# Altium PCB MOTHERBOARD.PcbDoc (part 1 of 4)
Units mm, origin at the board's own origin, x right, y up, seen from the top; angles counter-clockwise.
Board outline 187 x 77 mm, 4 copper layers (Top Copper, Signal Layer 1, Signal Layer 2, Bottom Copper), stack 1.57 mm thick; 287 components, 258 nets, 1217 pads, 1564 vias.
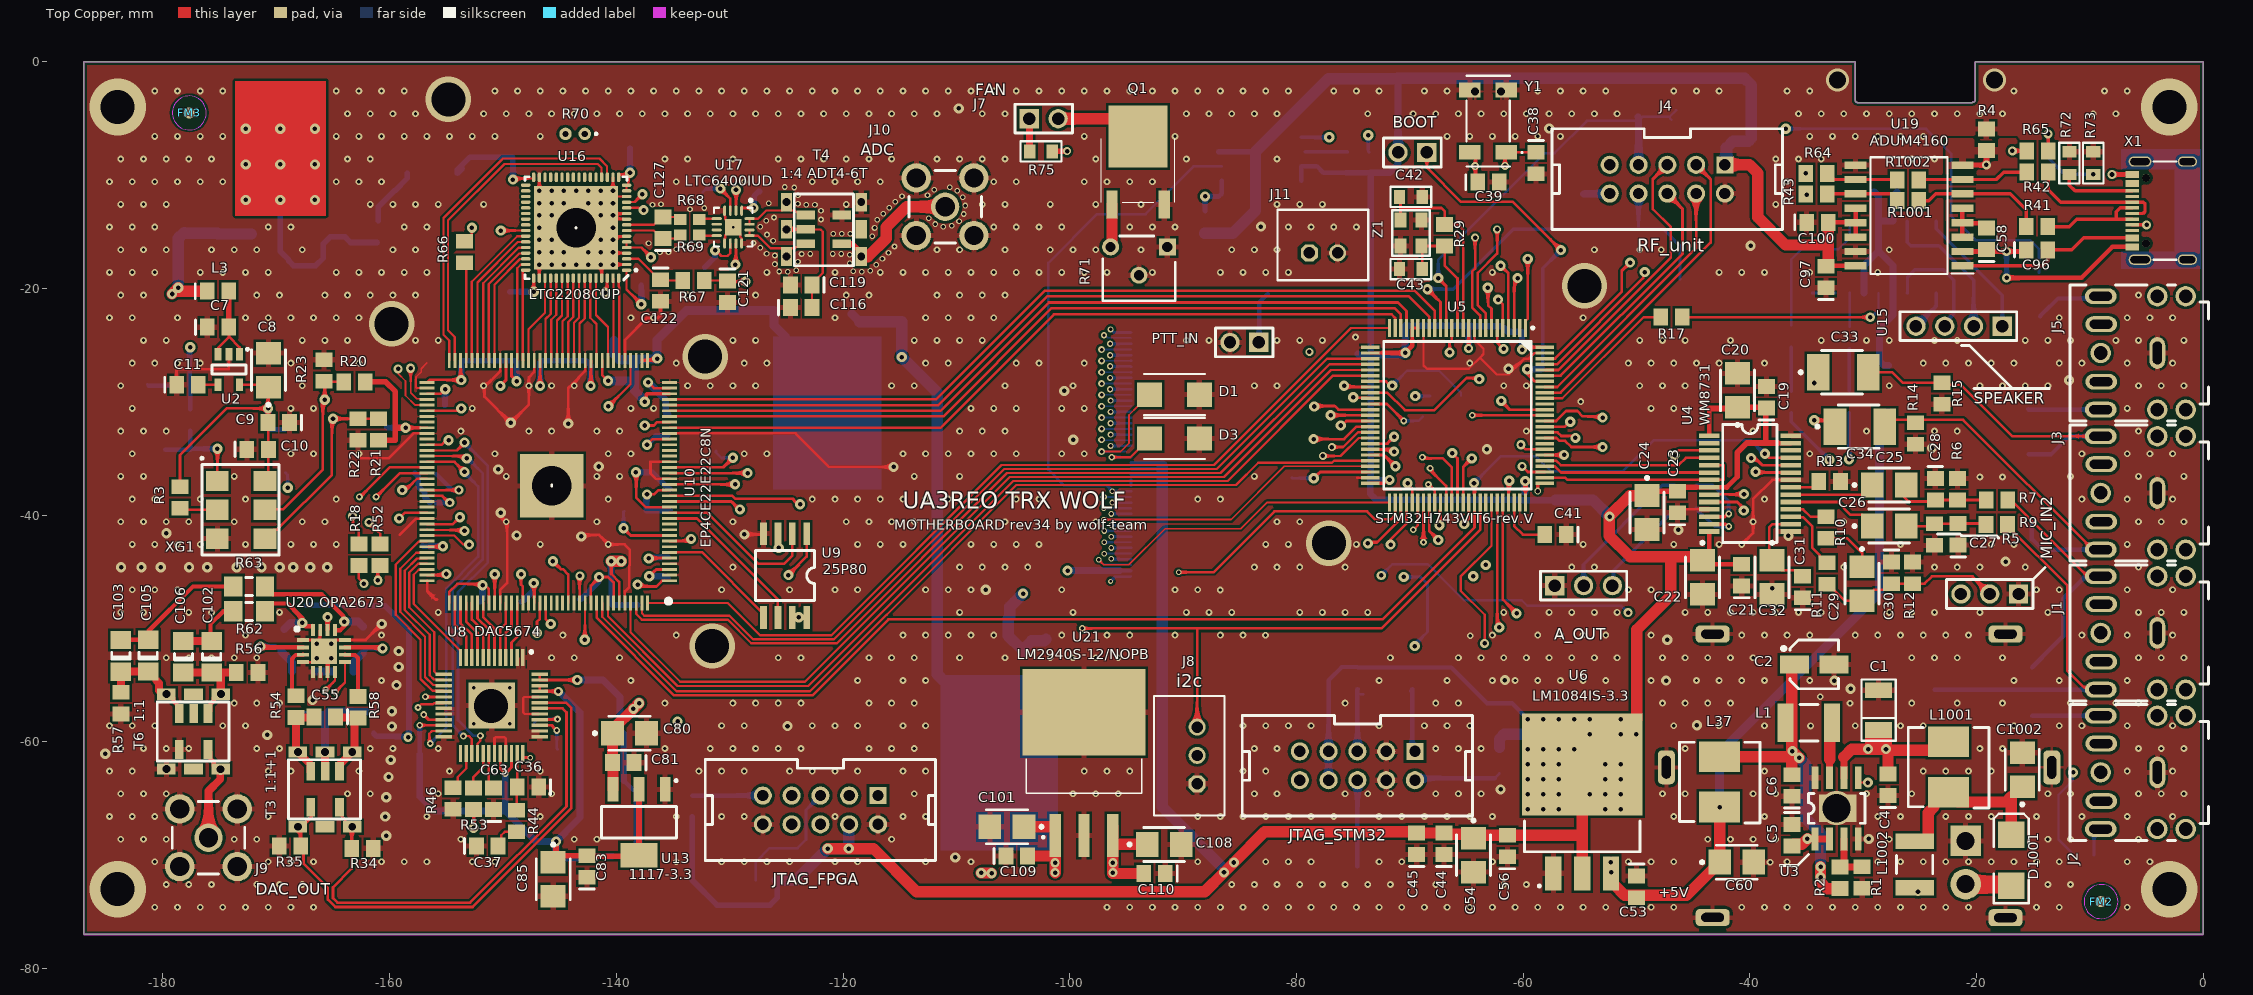
[diagram p0: Top Copper view]
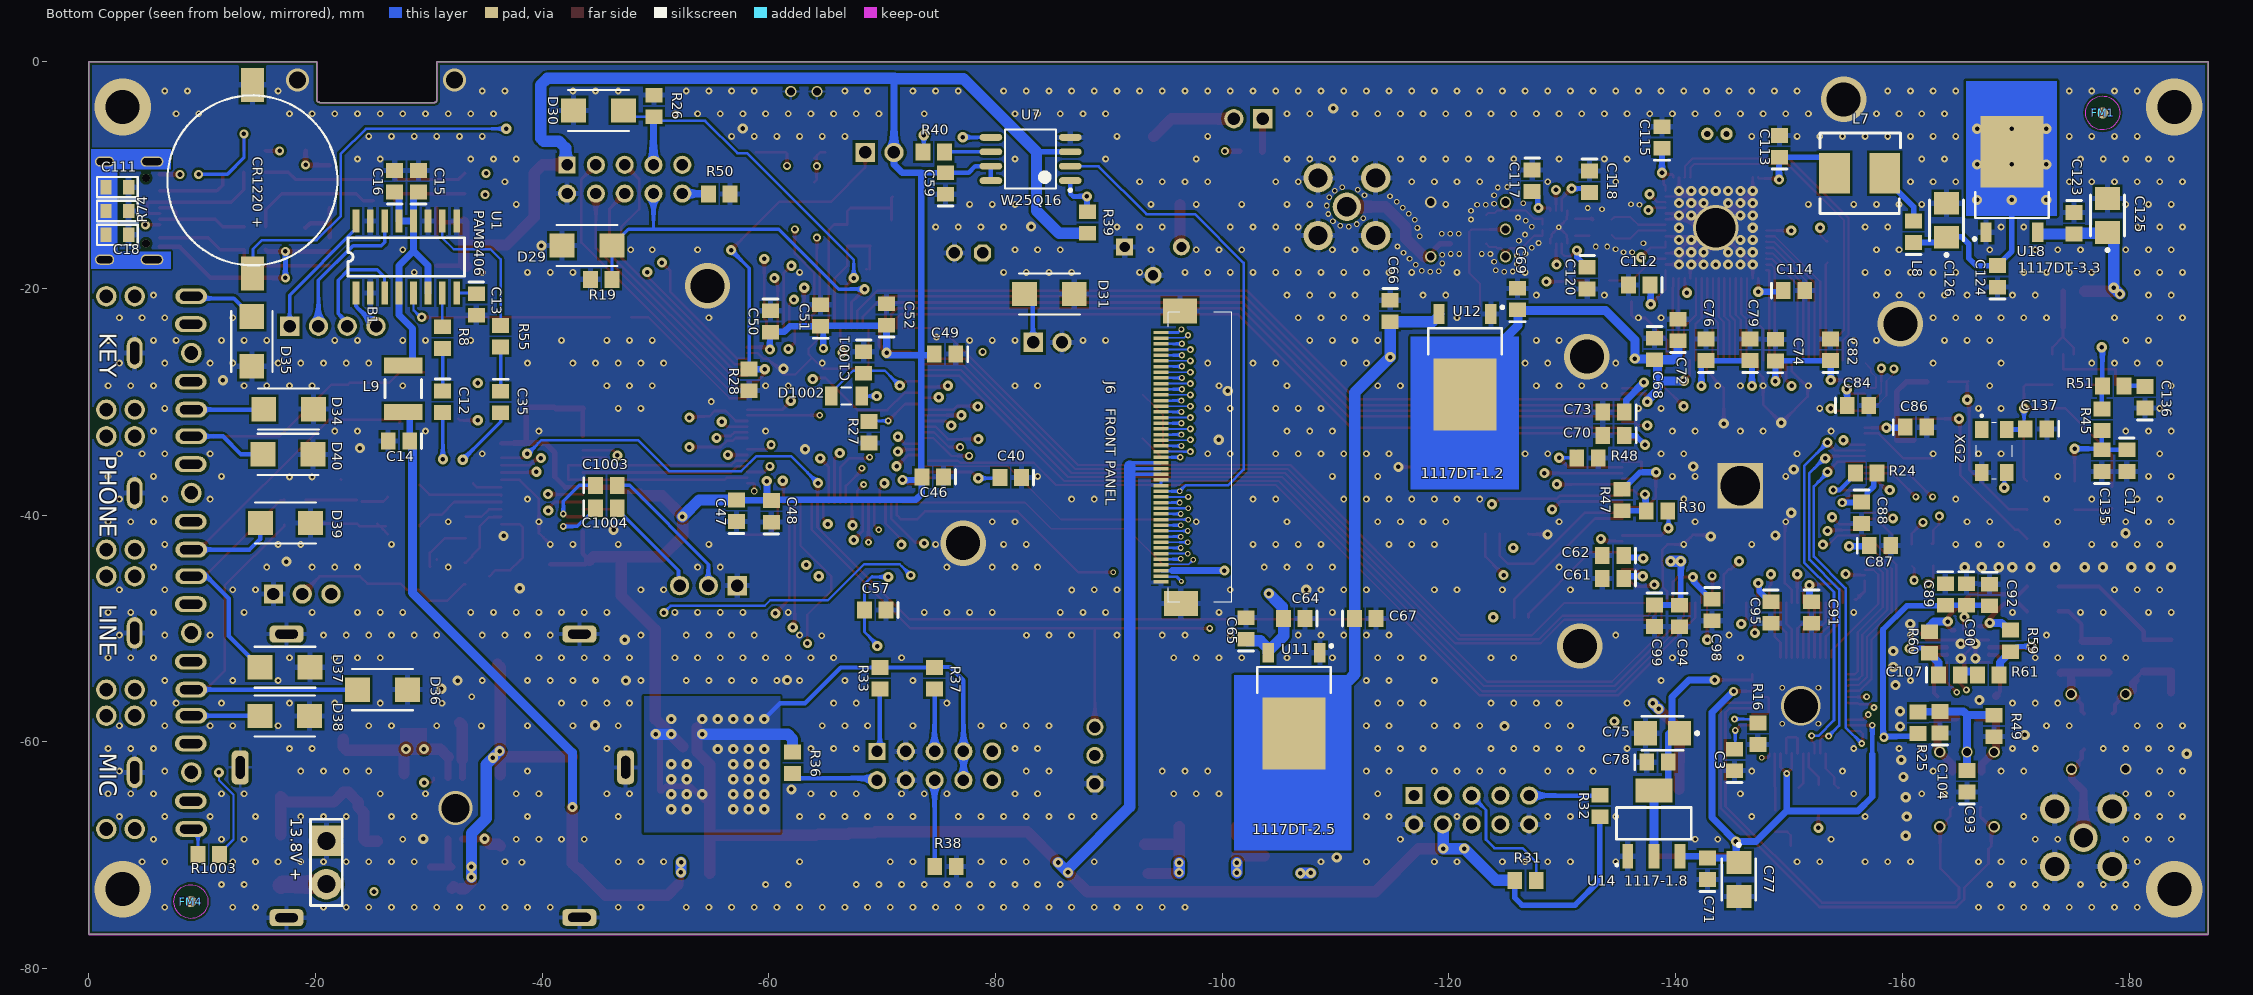
[diagram p1: Bottom Copper view, seen from below]
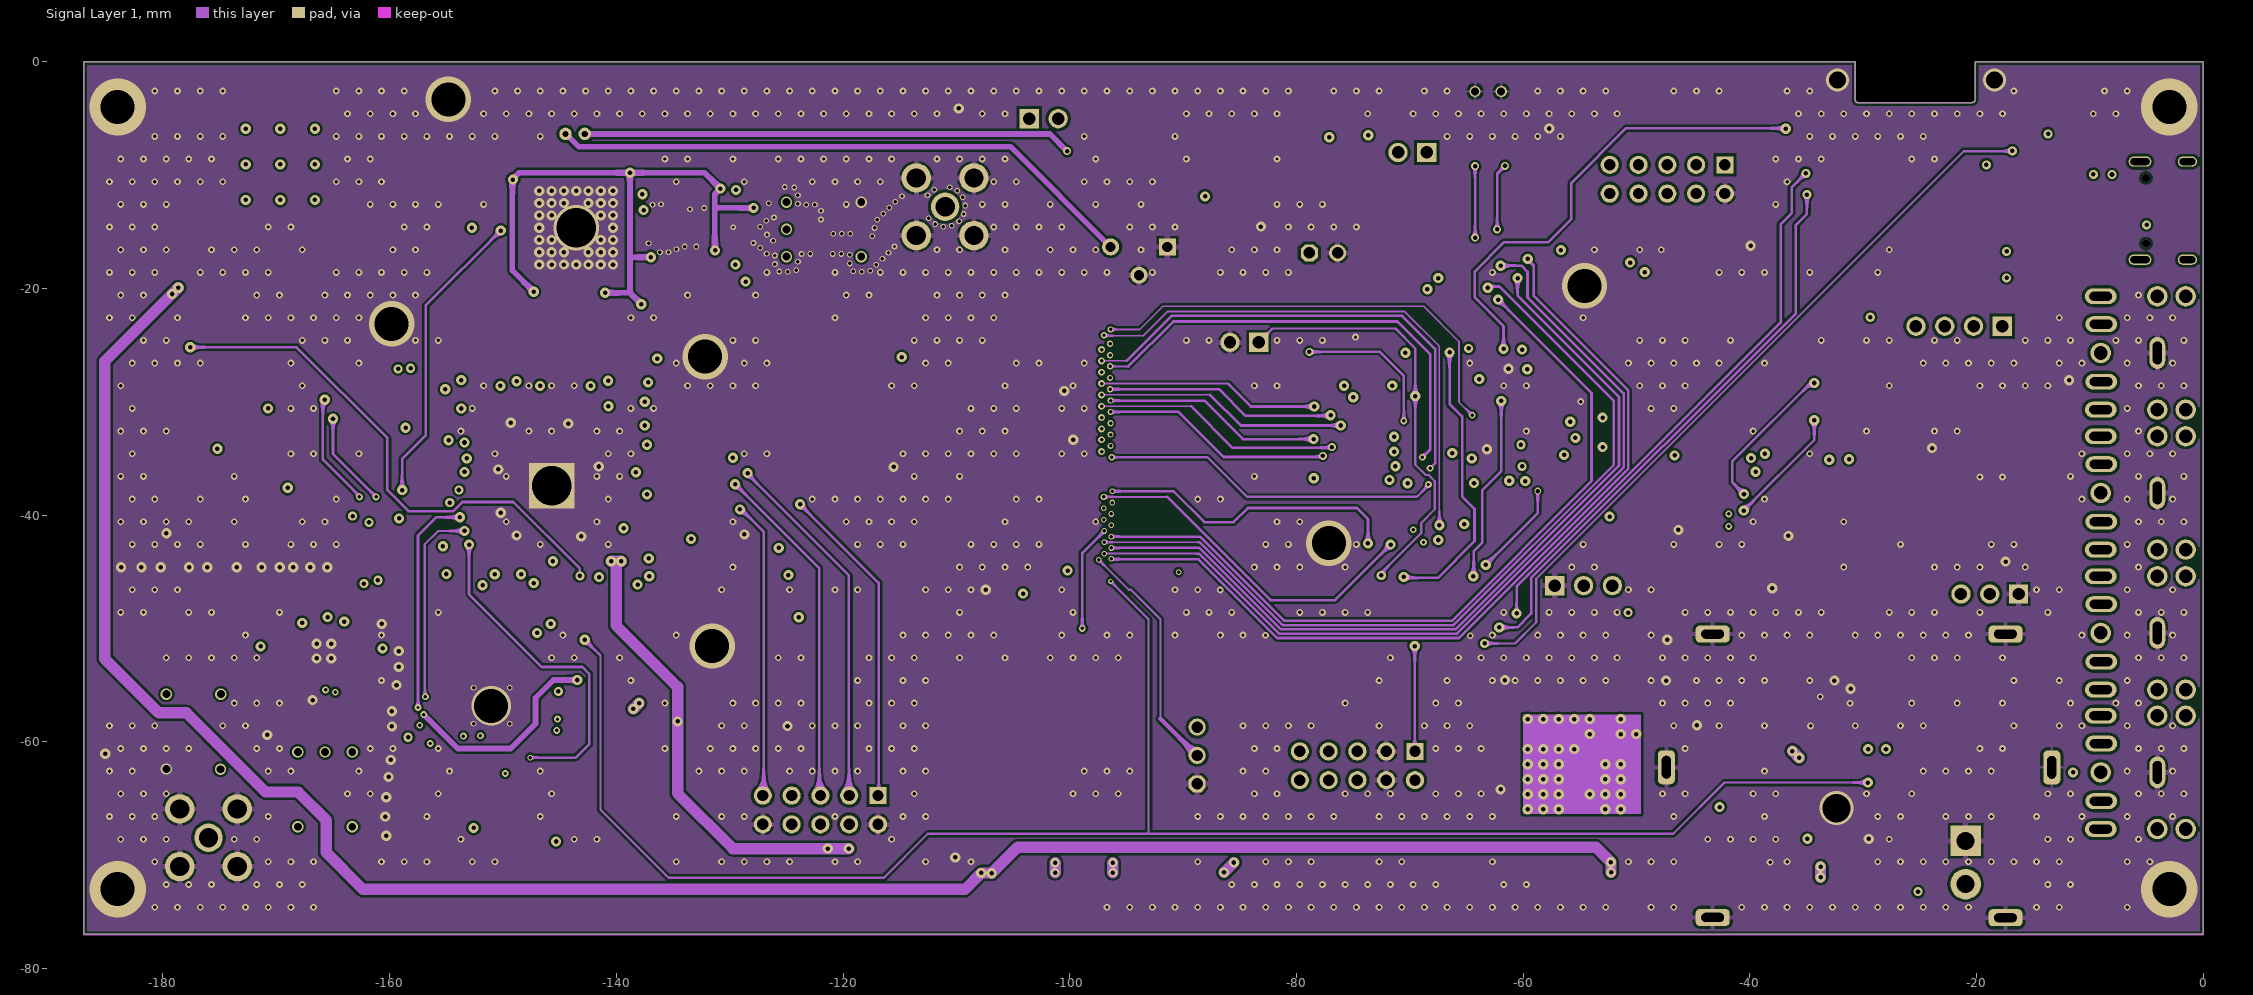
[diagram p2: Signal Layer 1]
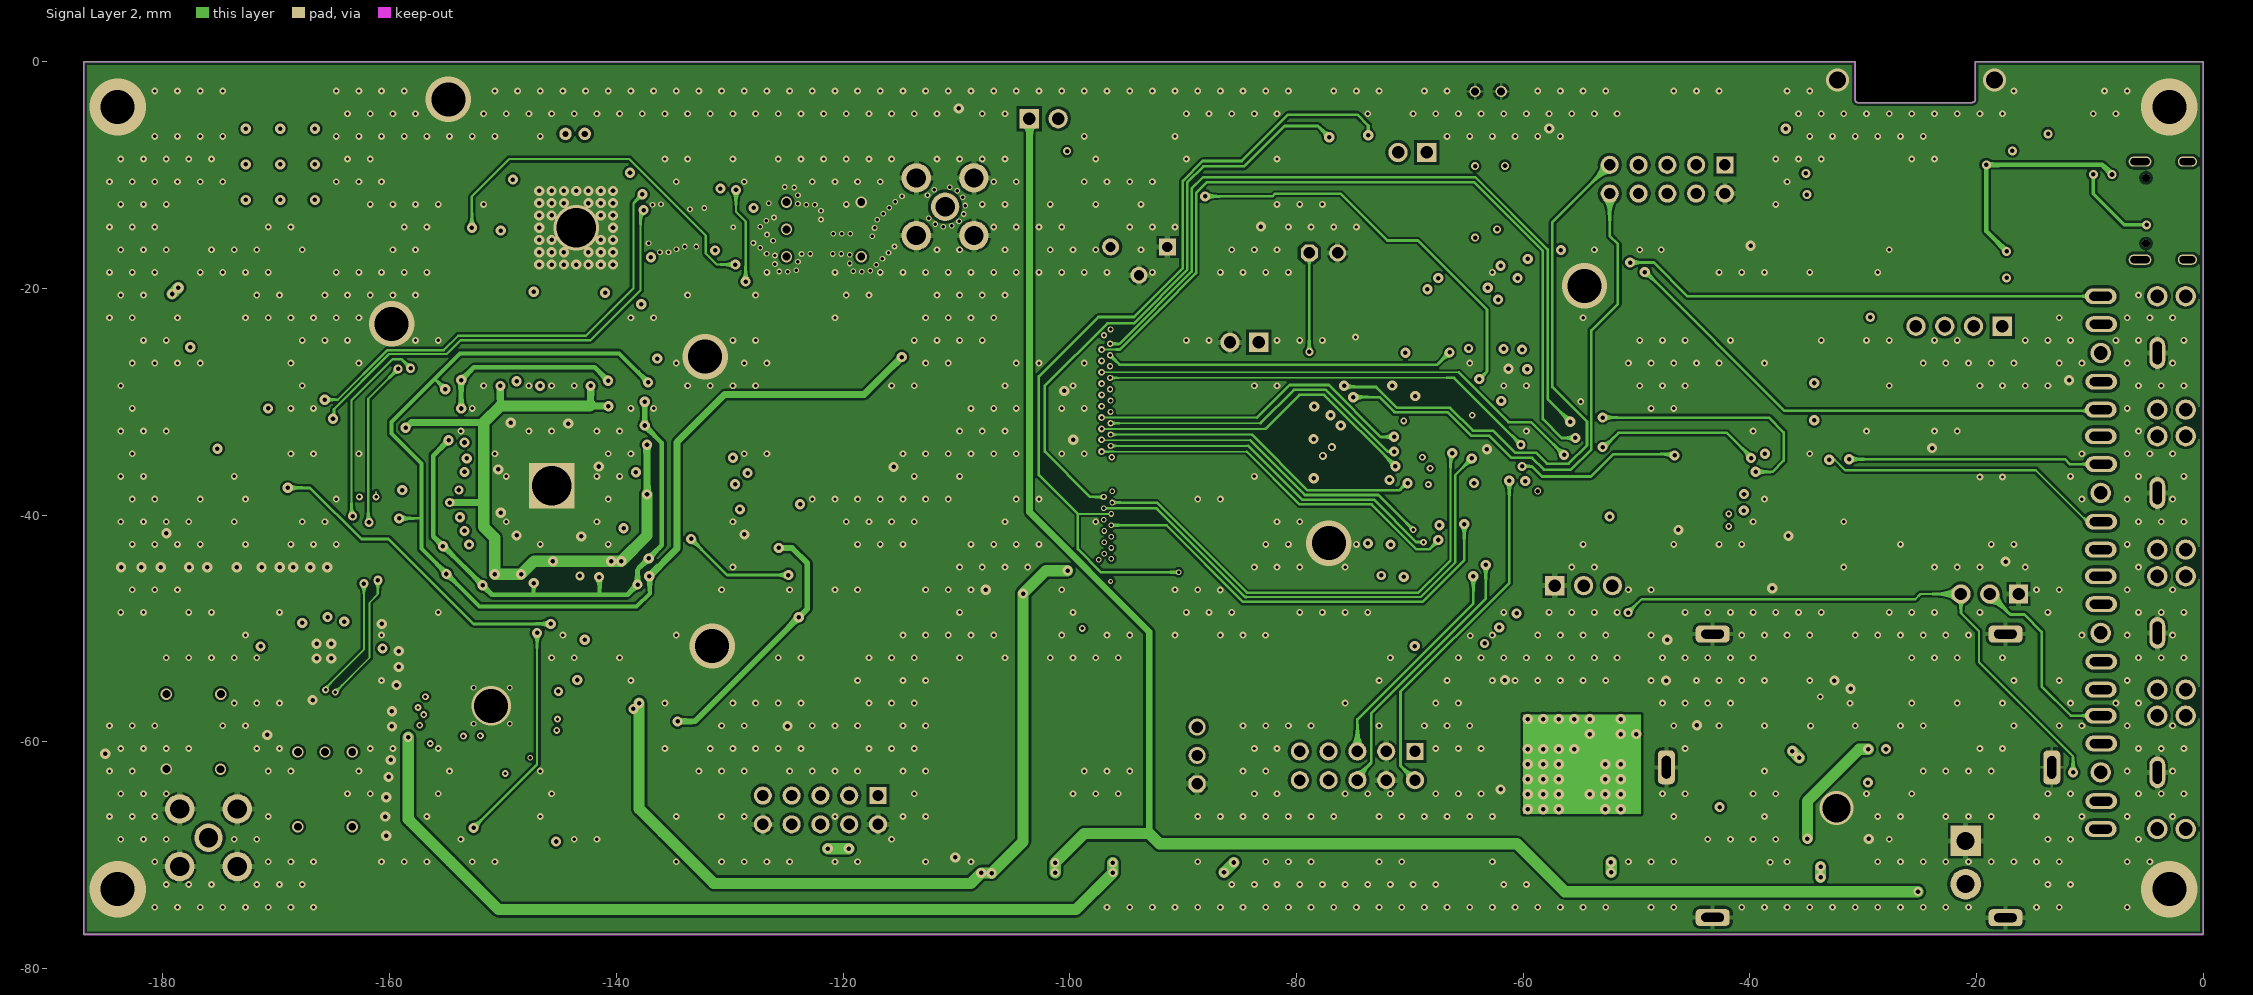
[diagram p3: Signal Layer 2]

## Layer stack, top to bottom
Top Mask: solder mask 0.015, Solder Resist, Dk 3.8
Top Copper: signal copper 0.035
Dielectric 1: prepreg 0.1, 2313, Dk 4.05
Signal Layer 1: signal copper 0.0175
Core: core 1.265, FR-4, Dk 4.5
Signal Layer 2: signal copper 0.0175
Dielectric 2: prepreg 0.1, 2313, Dk 4.05
Bottom Copper: signal copper 0.035
Bottom Mask: solder mask 0.015, Solder Resist, Dk 3.8

## Board outline
-187,-77 -187,0 -30.725,0 -30.725,-3.368 ccw(c-30.475,-3.368) -30.475,-3.618 -20.398,-3.618 -20.38,-3.6 ccw(c-20.38,-3.35) -20.13,-3.35 -20.125,-3.345 -20.125,0 0,0 0,-77

## Design rules (kind name [scope] priority, off if disabled: settings)
BoardOutlineClearance [All] p1: gap=0.3 ignorepadtopadclearanceinfootprint=FALSE
Clearance POWER [InNetClass('POWER')] p1: gap=0.3 ignorepadtopadclearanceinfootprint=FALSE except(0: Arc-Hole Track-Hole SMDPad-Hole THPad-Hole Via-Hole Fill-Hole Poly-Hole Region-Hole Text-Hole)
Clearance Clearance_NPTH [All vs InPadClass('NPTH')] p2: gap=0.4 ignorepadtopadclearanceinfootprint=FALSE except(0: Arc-Hole Track-Hole SMDPad-Hole THPad-Hole Via-Hole Fill-Hole Poly-Hole Region-Hole Text-Hole)
Clearance Clearance_MultiLayerPad [OnLayer('Multi-Layer') and IsPad] p3: gap=0.25 ignorepadtopadclearanceinfootprint=FALSE except(0: Arc-Hole Track-Hole SMDPad-Hole THPad-Hole Via-Hole Fill-Hole Poly-Hole Region-Hole Text-Hole)
Clearance Clearance_Polygon [InPolygon] p4: gap=0.2 ignorepadtopadclearanceinfootprint=FALSE except(0: Arc-Hole Track-Hole SMDPad-Hole THPad-Hole Via-Hole Fill-Hole Poly-Hole Region-Hole Text-Hole)
Clearance [All] p5: gap=0.15 ignorepadtopadclearanceinfootprint=FALSE except(0: Arc-Hole Track-Hole SMDPad-Hole THPad-Hole Via-Hole Fill-Hole Poly-Hole Region-Hole Text-Hole)
ComponentClearance [All] p1: gap=0.1 collisioncheckmode=3 verticalgap=0 showdistances=FALSE donotcheckwithout3dbody=TRUE
Height [All] p1: minheight=0 maxheight=60 prefheight=12.7
HoleSize [All] p1: absolutevalues=TRUE maxlimit=5 minlimit=0.025 maxpercent=80.000 minpercent=20.000
HoleToHoleClearance [All] p1: gap=0.2 allowstackedmicrovias=TRUE
MinimumSolderMaskSliver [All] p1: minsoldermaskwidth=0.05
PlaneClearance [All] p1: clearance=0.5
PlaneConnect [All] p1: planeconnectstyle=Relief reliefexpansion=0.5 reliefentries=4 reliefconductorwidth=0.3 reliefairgap=0.2
PolygonConnect PolygonConnect_PowerPAD [All vs InPadClass('PowerPAD')] p1: connectstyle=Relief reliefconductorwidth=1 reliefentries=4 polygonreliefangle="90 Angle" airgapwidth=0.3
PolygonConnect PolygonConnect_PadGND [InNet('GND') and IsPad] p2: connectstyle=Relief reliefconductorwidth=0.5 reliefentries=4 polygonreliefangle="90 Angle" airgapwidth=0.2
PolygonConnect PolygonConnect_Via [IsVia] p3: connectstyle=Direct reliefconductorwidth=0.254 reliefentries=4 polygonreliefangle="90 Angle" airgapwidth=0.254
PolygonConnect [All] p4: connectstyle=Relief reliefconductorwidth=0.6 reliefentries=4 polygonreliefangle="90 Angle" airgapwidth=0.3
RoutingVias [All] p1: holewidth=0.3 width=0.7 viastyle="Through Hole" minholewidth=0.3 minwidth=0.55 maxholewidth=3.2 maxwidth=5
SilkToSilkClearance [All] p1: silktosilkclearance=0
SilkToSolderMaskClearance [IsPad] p1: minsilkscreentomaskgap=0.05 clearancetoexposedcopper=FALSE
SolderMaskExpansion [All] p1: expansion=0.075 istentingtop=FALSE
Width [All] p1: maxlimit=10 minlimit=0.15 preferedwidth=0.2
21 further rules are at their usual default settings.

## Classes and differential pairs
component class STM32: B1 BOOT C38 C39 C40 C41 C42 C43 C51 C52 C57 C59 C1001 D1002 FM1 FM2 FM3 FM4 J8 J11 JTAG_STM32 R27 R28 R29 R33 R36 R37 R38 R39 R40 U5 U7 Y1 Z1
component class POWER: "13.8V +" C1 C2 C4 C5 C6 C44 C45 C46 C47 C48 C49 C50 C53 C54 C56 C60 C64 C65 C66 C67 C68 C69 C101 C108 C109 C110 C1002 D1001 L1 L37 L1001 L1002 R1 R2 U3 U6 U11 U12 U21
component class FPGA: C61 C62 C70 C72 C73 C74 C76 C79 C82 C84 C86 C87 C88 C91 C94 C95 C98 C99 JTAG_FPGA R24 R30 R31 R32 R47 R48 U9 U10
component class CONNECTIONS: C18 C58 C96 C97 C100 C111 D1 D3 D29 D30 D31 D34 D35 J4 J5 J6 PTT_IN R4 R19 R26 R41 R42 R43 R50 R64 R65 R72 R73 R74 R1001 R1002 U19 X1
component class CLOCK_GENERATOR: C7 C8 C9 C10 C11 C17 C135 C136 C137 L3 R3 R20 R21 R22 R23 R45 R51 U2 XG1 XG2
component class "AUDIO CODEC": A_OUT C12 C13 C14 C15 C16 C19 C20 C21 C22 C23 C24 C25 C26 C27 C28 C29 C30 C31 C32 C33 C34 C35 C1003 C1004 D36 D37 D38 D39 D40 J1 J2 J3 L9 MIC_IN2 MI§і_IN2 R5 R6 R7 R8 R9 R10 R11 R12 R13 R14 R15 R17 R55 R1003 U1 U4 U15
component class ADC: C112 C113 C114 C115 C116 C117 C118 C119 C120 C121 C122 C123 C124 C125 C126 C127 J7 J10 L7 L8 Q1 R66 R67 R68 R69 R70 R71 R75 T4 U16 U17 U18
component class DAC: C3 C36 C37 C55 C63 C71 C75 C77 C78 C80 C81 C83 C85 C89 C90 C92 C93 C102 C103 C104 C105 C106 C107 J9 R16 R18 R25 R34 R35 R44 R46 R49 R52 R53 R54 R56 R57 R58 R59 R60 R61 R62 R63 T3 T6 U8 U13 U14 U20

## Components (designator, comment, footprint, x,y, rotation, side; value= is the part's Value field where it differs from the comment)
"13.8V +" "JX2" JX2 -20.975,-70.65 r270 bottom
A_OUT "51022-0300_1" "51022-0200 - duplicate" -55.945,-45.59 r0 top
B1 "CR1220 +" CR1220 -14.45,-18.675 r0 bottom value=CR1220
BOOT "" 51022-0200 -69.775,-8.65 r180 top
C1 "4.7uF 16V" TANTAL_B -28.65,-57.2 r90 top
C2 "22uF 10V" CAPAE_4.3x4.3h5.4#1 -34.325,-53.175 r0 top
C3 "100n" CAP_0805 -145.2,-61.8 r90 bottom
C4 "100n" CAP_0805 -27.825,-64 r90 top
C5 "100n" CAP_0805 -36.3,-68.05 r270 top
C6 "100n" CAP_0805 -36.3,-64.05 r90 top
C7 "1uF" CAP_0805 -175.342,-23.428 r0 top
C8 "10uF 10V" CAPAE_4.3x4.3h5.4#2 -170.7,-27.618 r90 top
C9 "100n" CAP_0805 -169.579,-31.841 r180 top
C10 "470p" CAP_0805 -171.85,-34.2 r0 top
C11 "1uF" CAP_0805 -178.042,-28.505 r0 top
C12 "1uF" CAP_0805 -31.225,-29.8 r270 bottom
C13 "1uF" CAP_0805 -34.2,-21.225 r270 bottom
C14 "1uF" CAP_0805 -27.575,-33.475 r0 bottom
C15 "1uF" CAP_0805 -29.1,-10.75 r90 bottom
C16 "100n" CAP_0805 -27,-10.75 r90 bottom
C17 "10uF 10V" CAP_0805 -179.8,-35 r270 bottom
C18 "0.1" CH0805C -2.533,-15.279 r0 bottom
C19 "100n" CAP_0805 -38.55,-29.8 r90 top
C20 "10uF 10V" CAPAE_4.3x4.3h5.4#2 -41.1,-29.4 r90 top
C21 "100n" CAP_0805 -40.725,-45.5 r90 top
C22 "10uF 10V" CAPAE_4.3x4.3h5.4#2 -44.2,-45.1 r270 top
C23 "100n" CAP_0805 -46.4,-39.05 r90 top
C24 "10uF 10V" CAPAE_4.3x4.3h5.4#2 -49.078,-39.37 r270 top
C25 "1uF 10V" CAPAE_4.3x4.3h5.4#2 -28.125,-37.35 r0 top
C26 "1uF 10V" CAPAE_4.3x4.3h5.4#2 -28.125,-40.975 r0 top
C27 "220p" CAP_0805 -21.625,-41.9 r90 top
C28 "220p" CAP_0805 -23.65,-37.525 r270 top
C29 "1uF 10V" CAPAE_4.3x4.3h5.4#2 -30.118,-45.648 r270 top
C30 "220p" CAP_0805 -27.525,-44.9 r270 top
C31 "100n" CAP_0805 -35.35,-46.55 r90 top
C32 "10uF 10V" CAPAE_4.3x4.3h5.4#2 -38.05,-45.1 r270 top
C33 "220uF 10V" EEEFC_sizeС -32.875,-27.4 r0 top
C34 "220uF 10V" EEEFC_sizeС -31.4,-32.2 r0 top
C35 "1uF" CAP_0805 -36.35,-29.825 r270 bottom
C36 "100pF" CAP_0805 -147.6,-64 r180 top
C37 "10n" CAP_0805 -151.6,-69.2 r0 top
C38 "6pF" CAP_0805 -58.875,-8.75 r270 top
C39 "6pF" CAP_0805 -63.275,-10.625 r0 top
C40 "10uF" CAP_0805 -81.551,-36.7 r0 bottom
C41 "10uF" CAP_0805 -56.961,-41.727 r180 top
C42 "22p" CH0805C -69.917,-11.932 r180 top
C43 "22p" CH0805C -69.917,-18.302 r0 top
C44 "100n" CAP_0805 -67,-69.2 r90 top
C45 "100n" CAP_0805 -69.4,-69.2 r90 top
C46 "100n" CAP_0805 -74.675,-36.625 r0 bottom
C47 "100n" CAP_0805 -57.15,-39.825 r90 bottom
C48 "100n" CAP_0805 -60.225,-39.875 r90 bottom
C49 "100n" CAP_0805 -75.75,-25.8 r0 bottom
C50 "10uF" CAP_0805 -60.15,-22.725 r270 bottom value=1uF
C51 "100n" CAP_0805 -64.575,-22.6 r90 bottom
C52 "10uF" CAP_0805 -70.4,-22.5 r90 bottom
C53 "100n" CAP_0805 -50,-72.6 r270 top
C54 "10uF 10V" CAPAE_4.3x4.3h5.4#2 -64.4,-69.6 r270 top
C55 "7.5p" CAP_0805 -165.525,-57.8 r180 top
C56 "100n" CAP_0805 -61.4,-69.4 r90 top
C57 "100n" CAP_0805 -69.6,-48.375 r0 bottom
C58 "100n" CAP_0805 -19.125,-15.825 r90 top
C59 "100n" CAP_0805 -75.605,-10.945 r90 bottom
C60 "10uF 10V" CAPAE_4.3x4.3h5.4#2 -41.575,-70.625 r0 top
C61 "100n" CAP_0805 -134.675,-45.6 r0 bottom
C62 "100n" CAP_0805 -134.675,-43.575 r0 bottom
C63 "10n" CAP_0805 -150.85,-65.225 r90 top
C64 "10uF" CAP_0805 -106.55,-49.125 r0 bottom
C65 "100n" CAP_0805 -102.1,-50.2 r90 bottom
C66 "10uF" CAP_0805 -114.825,-21.8 r270 bottom
C67 "100n" CAP_0805 -112.425,-49.125 r180 bottom
C68 "10uF" CAP_0805 -138.15,-25.15 r270 bottom
C69 "100n" CAP_0805 -126.05,-21.15 r90 bottom
C70 "100n" CAP_0805 -134.725,-32.975 r0 bottom
C71 "100n" CAP_0805 -142.8,-71.4 r90 bottom
C72 "100n" CAP_0805 -140.2,-23.875 r90 bottom
C73 "100n" CAP_0805 -134.725,-30.925 r0 bottom
C74 "100n" CAP_0805 -148.8,-25.65 r90 bottom
C75 "10uF 10V" CAPAE_4.3x4.3h5.4#2 -139.25,-59.25 r0 bottom
C76 "100n" CAP_0805 -142.675,-25.625 r90 bottom
C77 "10uF 10V" CAPAE_4.3x4.3h5.4#2 -145.575,-71.75 r270 bottom
C78 "100n" CAP_0805 -138.2,-61.8 r180 bottom
C79 "100n" CAP_0805 -146.575,-25.625 r90 bottom
C80 "10uF 10V" CAPAE_4.3x4.3h5.4#2 -139.25,-59.25 r0 top
C81 "100n" CAP_0805 -139.202,-61.851 r180 top
C82 "100n" CAP_0805 -153.65,-25.625 r90 bottom
C83 "100n" CAP_0805 -142.6,-71.2 r90 top
C84 "100n" CAP_0805 -155.9,-30.325 r180 bottom
C85 "10uF 10V" CAPAE_4.3x4.3h5.4#2 -145.575,-71.725 r270 top
C86 "100n" CAP_0805 -161,-32.25 r180 bottom
C87 "100n" CAP_0805 -157.825,-42.7 r180 bottom
C88 "100n" CAP_0805 -156.4,-39.6 r270 bottom
C89 "100n" CAP_0805 -163.791,-46.801 r270 bottom
C90 "470p" CAP_0805 -165.65,-46.8 r270 bottom
C91 "100n" CAP_0805 -152,-48.4 r270 bottom
C92 "1uF" CAP_0805 -167.7,-46.85 r270 bottom
C93 "100n" CAP_0805 -165.7,-63.675 r90 bottom
C94 "100n" CAP_0805 -140.35,-48.7 r270 bottom
C95 "100n" CAP_0805 -148.4,-48.4 r270 bottom
C96 "100n" CAP_0805 -14.875,-16.6 r0 top
C97 "100n" CAP_0805 -33.3,-19.2 r90 top
C98 "100n" CAP_0805 -143.225,-48.175 r270 bottom
C99 "100n" CAP_0805 -138.125,-48.675 r270 bottom
C100 "100n" CAP_0805 -34.25,-14.175 r0 top
C101 "10uF 20V" CAPAE_4.3x4.3h5.4#2 -105.15,-67.5 r180 top
C102 "1uF" CAP_1206 -175.7,-52.5 r90 top
C103 "1uF" CAP_1206 -183.725,-52.425 r90 top
C104 "470p" CAP_0805 -163.325,-58.475 r90 bottom
C105 "680p" CAP_1206 -181.3,-52.4 r90 top
C106 "680p" CAP_1206 -178.2,-52.5 r90 top
C107 "100n" CAP_0805 -163.95,-54.1 r180 bottom
C108 "10uF 20V" CAPAE_4.3x4.3h5.4#2 -92.075,-69.05 r0 top
C109 "100n" CAP_0805 -104.875,-70.075 r0 top
C110 "100n" CAP_0805 -92.325,-71.625 r180 top
C111 "0.01" CH0805C -2.533,-11.075 r0 bottom
C112 "100n" CAP_0805 -137,-19.7 r0 bottom
C113 "100n" CAP_0805 -149.175,-7.675 r90 bottom
C114 "100n" CAP_0805 -150.25,-20.2 r180 bottom
C115 "100n" CAP_0805 -138.8,-6.9 r90 bottom
C116 "470p" CAP_0805 -123.9,-21.7 r0 top
C117 "100n" CAP_0805 -127.352,-10.302 r270 bottom
C118 "100n" CAP_0805 -132.4,-10.4 r270 bottom
C119 "1uF" CAP_0805 -123.5,-19.7 r180 top
C120 "100n" CAP_0805 -132.2,-18.9 r270 bottom
C121 "1uF" CAP_0805 -130.2,-20.1 r270 top
C122 "1uF" CAP_0805 -136.1,-20 r270 top
C123 "100n" CAP_0805 -175.154,-14.05 r270 bottom
C124 "100n" CAP_0805 -168.396,-19.146 r90 bottom
C125 "22uF 10V" CAPAE_4.3x4.3h5.4#2 -178.1,-13.975 r90 bottom
C126 "22uF 10V" CAPAE_4.3x4.3h5.4#2 -163.9,-14.4 r90 bottom
C127 "10p" CAP_0805 -135.9,-14.85 r90 top
C135 "100n" CAP_0805 -177.6,-35.4 r90 bottom
C136 "8.2n" CAP_0805 -181.4,-29.8 r90 bottom
C137 "10n" CAP_0805 -172,-32.4 r0 bottom
C1001 "1n" CAP_0805 -68.375,-26.35 r270 bottom
C1002 "10uF 10V" CAPAE_4.3x4.3h5.4#2 -15.975,-62.875 r90 top value="4.7uF 20V"
C1003 "1uF" CAP_0805 -45.475,-37.375 r180 bottom
C1004 "1uF" CAP_0805 -45.475,-39.4 r180 bottom
D1 "SMAJ5.0A-TR" SMBJ36CATR -90.775,-29.375 r0 top
D3 "SMAJ5.0A-TR" SMBJ36CATR -90.775,-33.25 r0 top
D29 "SMAJ5.0A-TR" SMBJ36CATR -43.975,-16.225 r0 bottom
D30 "SMAJ5.0A-TR" SMBJ36CATR -44.976,-4.306 r0 bottom
D31 "SMAJ5.0A-TR" SMBJ36CATR -84.75,-20.5 r180 bottom
D34 "SMAJ5.0A-TR" SMBJ36CATR -17.65,-30.65 r180 bottom
D35 "SMAJ5.0A-TR" SMBJ36CATR -14.4,-24.675 r270 bottom